# Altium PCB PCB_UDC_PlacaControle_V2.0.PcbDoc (part 7 of 7)
Units mm, origin at the board's own origin, x right, y up, seen from the top; angles counter-clockwise.
Board outline 161.76 x 100.25 mm, 6 copper layers (Top Layer, GND, Signal 1, Signal 2, VCC, Bottom Layer); 548 components, 515 nets, 2193 pads, 1225 vias.
Unrouted connection lines stored in the file: 7.
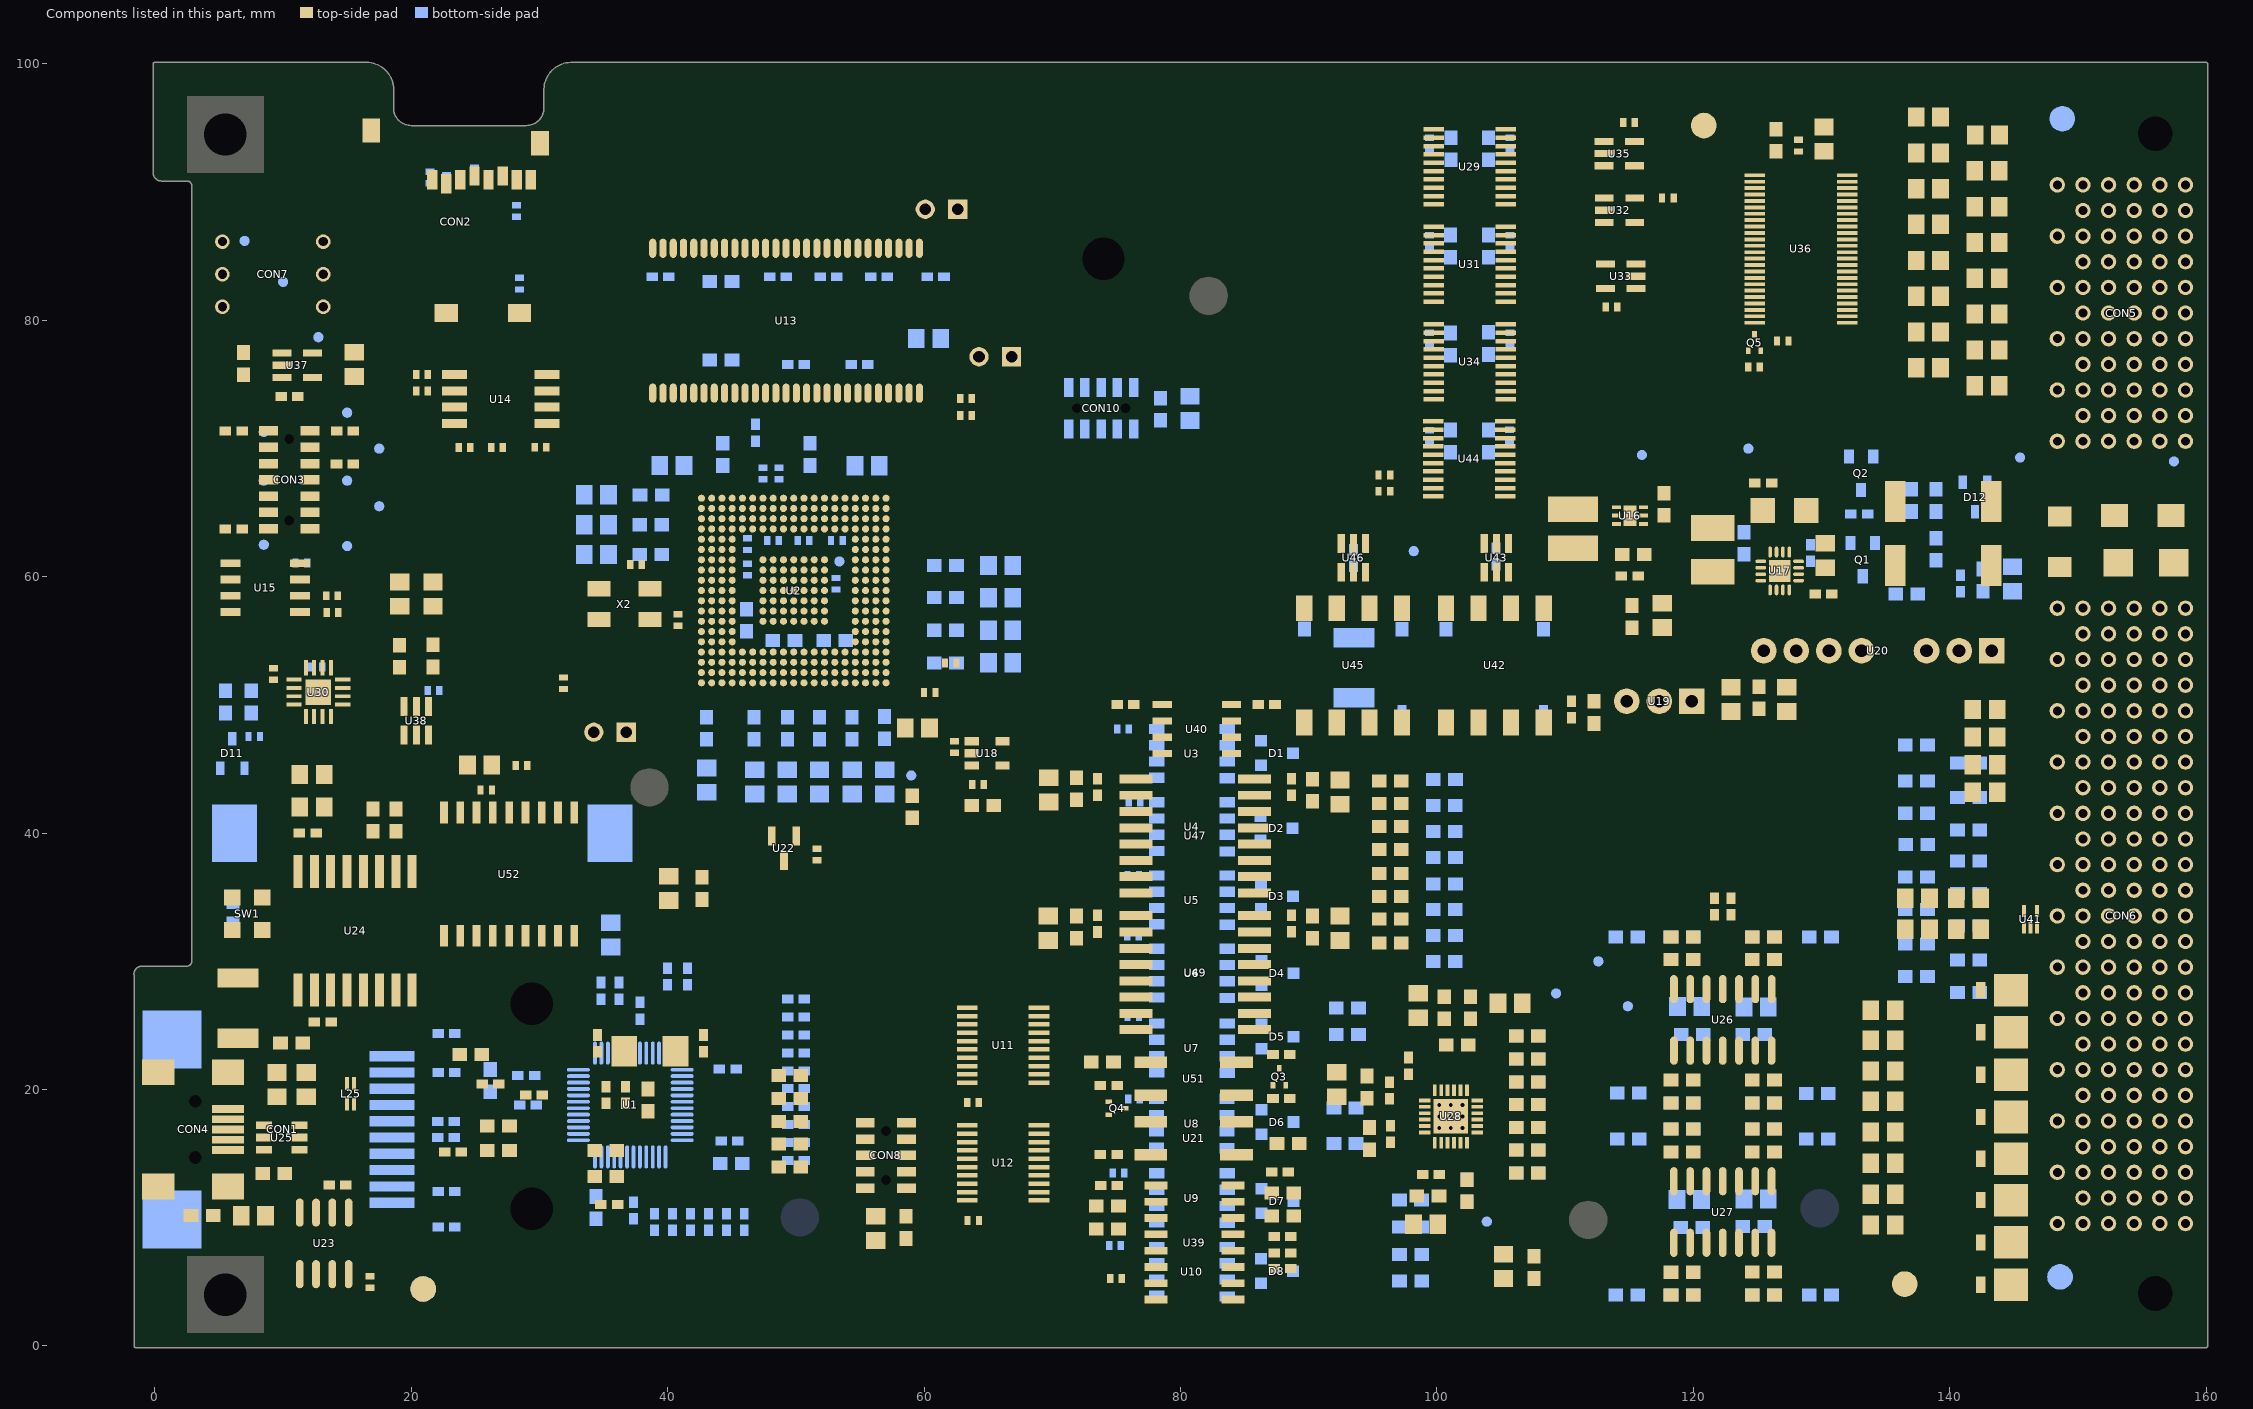
[diagram p11: the components of this part, seen from the top]

## Silkscreen, mask and mechanical layers (free items; w line width, h text height) (continued)
Bottom Overlay:
  circle w0.254: c29.4,26.7 r3.5
  circle w0.254: c29.4,10.7 r3.5
  circle w0.254: c74,84.8 r3.5
  circle w0.254: c82.194,81.915 r2
  circle w0.254: c50.317,10.033 r2
  circle w0.254: c129.87,10.744 r2
  region: 70.146,84.284 69.966,84.464 69.338,83.835 69.517,83.655
  region: 67.352,84.538 67.352,84.284 70.146,84.284 70.146,84.538
  region: 69.517,85.755 69.338,85.576 69.966,84.947 70.146,85.127
  region: 70.146,84.873 70.146,85.127 67.352,85.127 67.352,84.873
  region: 25.493,26.276 25.313,26.455 24.684,25.827 24.864,25.647
  region: 22.699,26.53 22.699,26.276 25.493,26.276 25.493,26.53
  region: 24.864,27.747 24.684,27.567 25.313,26.939 25.493,27.118
  region: 25.493,26.864 25.493,27.118 22.699,27.118 22.699,26.864
  region: 29.019,14.563 29.198,14.743 28.57,15.371 28.39,15.192
  region: 29.273,17.357 29.019,17.357 29.019,14.563 29.273,14.563
  region: 30.49,15.192 30.31,15.371 29.682,14.743 29.861,14.563
  rectangle: 29.607,14.563 29.861,17.357
  region: 120.091,76.606 120.091,82.035 113.573,82.035 113.573,76.606
  region: 128.372,76.606 128.372,82.035 121.853,82.035 121.853,76.606
  region: 136.541,76.606 136.541,82.035 130.023,82.035 130.023,76.606
  region: 64.354,33.739 64.354,39.167 39.827,39.167 39.827,33.739
  region: 129.124,88.628 129.124,94.056 108.229,94.056 108.229,88.628
  region: 141.164,82.684 141.164,88.113 108.229,88.113 108.229,82.684
  text "Tested by:" at 146.863,90.5 h4
  text "DISP RX" at 10.058,86.005 h0.6
  text "SN:" at 146.888,84.176 h4
  text "DISP TX" at 9.017,82.805 h0.6
  text "3V3" at 13.259,79.68 h0.6
  text "GND" at 83.566,78.461 h1.4
  text "DATE:" at 147.015,78.181 h4
  text "/" at 121.387,78.054 h4
  text "/" at 129.616,78.054 h4
  text "EMU0" at 14.072,72.594 h0.6
  text "EMU1" at 9.169,72.213 h0.6
  text "TCK" at 16.561,69.851 h0.6
  text "5V" at 123.317,69.799 h0.6
  text "GND" at 114.986,69.317 h0.6
  text "GND" at 147.599,69.088 h0.6
  text "VCC IN" at 156.54,68.809 h0.6
  text "TDO" at 15.57,68.428 h0.6
  text "GND" at 10.566,67.31 h0.6
  text "TDI" at 16.535,65.304 h0.6
  text "TRST" at 10.846,62.307 h0.6
  text "TMS" at 14.021,62.205 h0.6
  text "3V3" at 97.206,61.798 h0.6
  text "1V2" at 52.426,60.96 h0.6
  text "1V8" at 60.909,44.323 h0.6
  text "MAC:" at 73.33,35.204 h4
  text "LINK" at 38.557,33.858 h2 r90
  text "GND I" at 115.011,29.75 h0.6
  text "15V I" at 111.455,27.28 h0.6
  text "-15V I" at 113.919,26.264 h0.6
  text "5V I" at 105.766,9.55 h0.6
  text "GND I" at 131.572,7.29 h1.4
  text "GND" at 51.613,6.553 h1.4

## Text inside footprints (layer, text, board x,y; h text height)
BT1: Bottom Overlay "+" at 33.684,44.38 h4; Bottom Overlay "+" at 30.434,38.73 h4
CON7: Mechanical 1 "J1" at 8.692,84.097 h0.6 r270
PBFREE: Top Overlay "Pb" at 82.601,91.034 h3.05
U2: Top Overlay "1" at 57.048,50.546 h0.6 r270; Top Overlay "A" at 58.572,51.689 h0.6 r180; Mechanical 1 "19" at 42.635,50.243 h0.6 r270; Mechanical 1 "1" at 57.035,50.243 h0.6 r270; Mechanical 1 "W" at 58.52,66.128 h0.6 r180; Mechanical 1 "A" at 58.52,51.728 h0.6 r180